# Altium PCB 0020-03_FFT2G.PcbDoc (part 12 of 16)
Units mm, origin at the board's own origin, x right, y up, seen from the top; angles counter-clockwise.
Board outline 195 x 104.5 mm, 12 copper layers (Top Layer, GND1, LVDS1, PWR1, LVDS2, PWR2, LVDS3, PWR3, SIG1, SIG2, GND2, Bottom Layer), stack 1.422 mm thick; 721 components, 650 nets, 4014 pads, 3497 vias.
Unrouted connection lines stored in the file: 78.
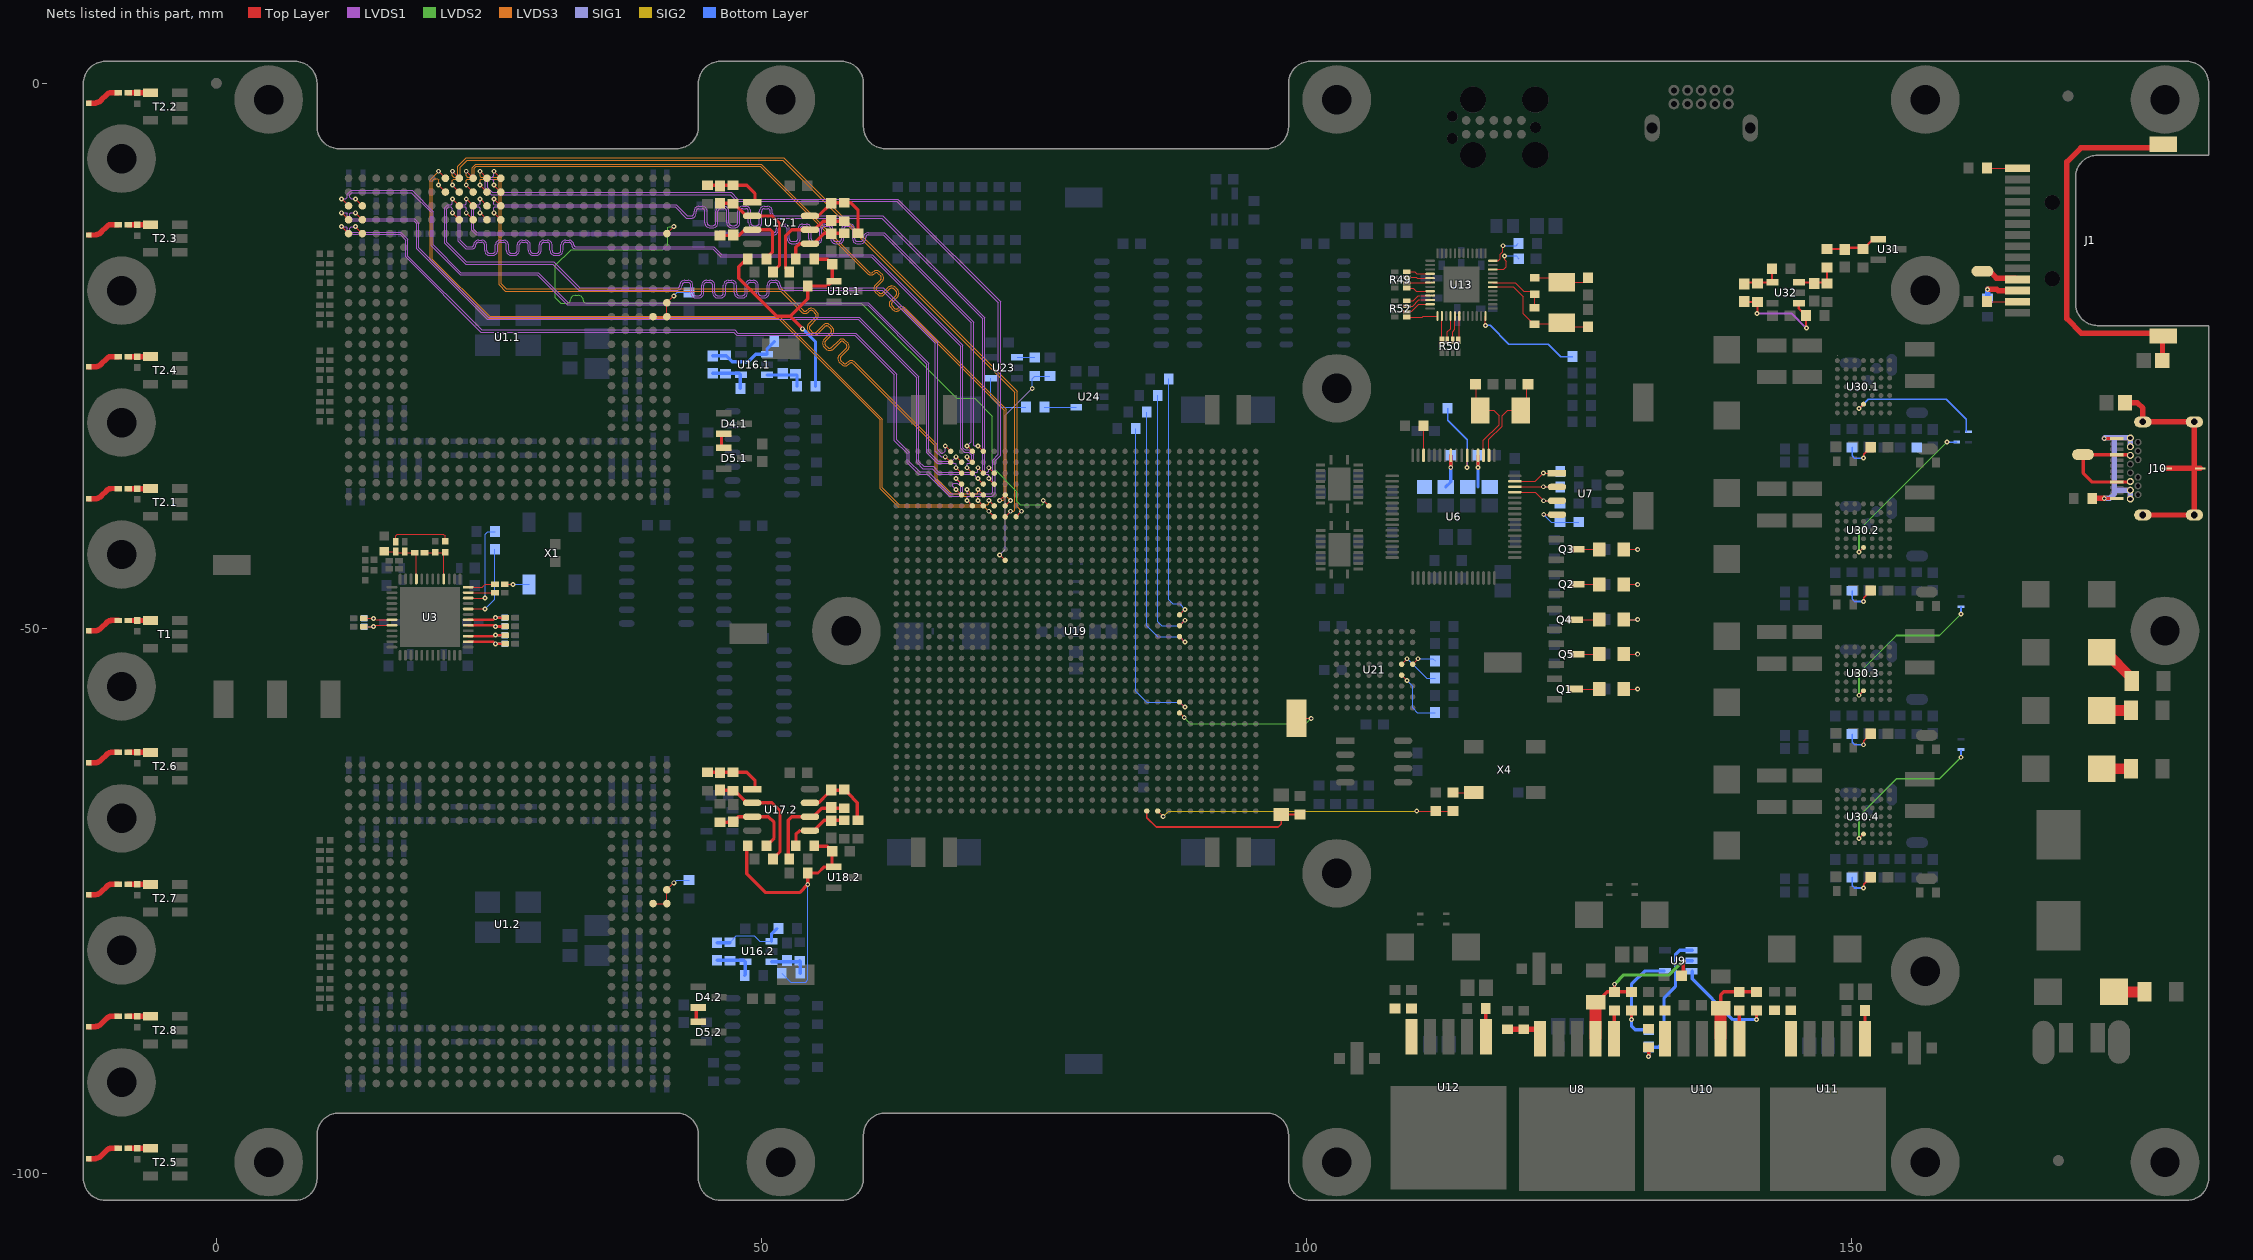
[diagram p22: the nets of this part, all layers, seen from the top]

## Via types
v1: diameter 0.45, hole 0.2, Top Layer to Bottom Layer, tented both sides, 3249 vias
v2: diameter 1, hole 0.5, Top Layer to Bottom Layer, tented both sides, 192 vias
v3: diameter 0.5, hole 0.2, Top Layer to Bottom Layer, tented both sides, 34 vias
v4: diameter 0.6, hole 0.3, Top Layer to Bottom Layer, tented both sides, 12 vias
v5: diameter 0.6, hole 0.2, Top Layer to Bottom Layer, tented both sides, 6 vias
v6: diameter 0.45/0.45/0.45/0.45/0.45/0.45/0.45 (per signal layer), hole 0.2, Top Layer to Bottom Layer, tented both sides, 4 vias

## Nets (pads, with @x,y where several pads share a name; then routed paths per layer and width w, separated by ;. In a path a pad name is that pad's centre, name@x,y a point inside that pad or via, vN(x,y) a via of type N, cw(c..) or ccw(c..) an arc to the next point about the centre after c; other vN are vias at no path point) (continued)
NC.OR_P: U1.1.AD20 U19.AJ20 | length 74.9
  Top Layer w0.1: U1.1.AD20@41.338,-13.797 v1(41.973,-13.162) ; v1(75.875,-38.28) U19.AJ20@76.375,-38.78
  LVDS2 w0.1: v1(41.973,-13.162) 41.497,-13.162 41.438,-13.22 41.438,-14.803 40.973,-15.269 32.562,-15.269 31.107,-16.724 31.107,-19.696 31.59,-20.179 32.222,-20.179 ccw(c32.222,-19.929) 32.472,-19.929 cw(c32.922,-19.929) 32.922,-19.479 33.222,-19.479 cw(c33.222,-19.929) 33.672,-19.929 ccw(c33.922,-19.929) 33.922,-20.179 59.184,-20.179 67.925,-28.919 69.572,-28.919 71.197,-30.544 71.197,-34.647 71.45,-34.901 71.45,-35.473 73.461,-37.484 73.461,-38.357 73.783,-38.68 75.801,-38.68 75.875,-38.605 v1(75.875,-38.28)
ND.0_N: U1.1.M21 U19.AL25 | length 76.2
  Top Layer w0.1: v1(25.463,-11.892) U1.1.M21@26.098,-12.527 ; v1(70.875,-36.28) U19.AL25@71.375,-36.78
  LVDS1 w0.1: v1(25.463,-11.892) 25.463,-11.415 25.522,-11.357 42.11,-11.357 43.131,-12.377 43.576,-12.377 ccw(c43.576,-11.927) 44.026,-11.927 44.026,-11.748 cw(c44.276,-11.748) 44.276,-11.498 44.576,-11.498 cw(c44.576,-11.748) 44.826,-11.748 44.826,-12.807 ccw(c45.276,-12.807) 45.276,-13.257 45.576,-13.257 ccw(c45.576,-12.807) 46.026,-12.807 46.026,-11.748 cw(c46.276,-11.748) 46.276,-11.498 46.576,-11.498 cw(c46.576,-11.748) 46.826,-11.748 46.826,-12.807 ccw(c47.276,-12.807) 47.276,-13.257 47.576,-13.257 ccw(c47.576,-12.807) 48.026,-12.807 48.026,-11.748 cw(c48.276,-11.748) 48.276,-11.498 48.576,-11.498 cw(c48.576,-11.748) 48.826,-11.748 48.826,-12.807 ccw(c49.276,-12.807) 49.276,-13.257 49.576,-13.257 ccw(c49.576,-12.807) 50.026,-12.807 50.026,-11.748 cw(c50.276,-11.748) 50.276,-11.498 50.576,-11.498 cw(c50.576,-11.748) 50.826,-11.748 50.826,-11.927 ccw(c51.276,-11.927) 51.276,-12.377 61.05,-12.377 70.298,-21.625 70.298,-35.753 70.433,-35.889 70.773,-35.889 70.875,-35.991 v1(70.875,-36.28)
ND.0_P: U1.1.M22 U19.AM25 | length 76.2
  Top Layer w0.1: v1(25.463,-10.622) U1.1.M22@26.098,-11.257 ; v1(70.875,-35.28) U19.AM25@71.375,-35.78
  LVDS1 w0.1: v1(25.463,-10.622) 25.463,-11.098 25.522,-11.157 42.193,-11.157 43.214,-12.177 43.576,-12.177 ccw(c43.576,-11.927) 43.826,-11.927 43.826,-11.748 cw(c44.276,-11.748) 44.276,-11.298 44.576,-11.298 cw(c44.576,-11.748) 45.026,-11.748 45.026,-12.807 ccw(c45.276,-12.807) 45.276,-13.057 45.576,-13.057 ccw(c45.576,-12.807) 45.826,-12.807 45.826,-11.748 cw(c46.276,-11.748) 46.276,-11.298 46.576,-11.298 cw(c46.576,-11.748) 47.026,-11.748 47.026,-12.807 ccw(c47.276,-12.807) 47.276,-13.057 47.576,-13.057 ccw(c47.576,-12.807) 47.826,-12.807 47.826,-11.748 cw(c48.276,-11.748) 48.276,-11.298 48.576,-11.298 cw(c48.576,-11.748) 49.026,-11.748 49.026,-12.807 ccw(c49.276,-12.807) 49.276,-13.057 49.576,-13.057 ccw(c49.576,-12.807) 49.826,-12.807 49.826,-11.748 cw(c50.276,-11.748) 50.276,-11.298 50.576,-11.298 cw(c50.576,-11.748) 51.026,-11.748 51.026,-11.927 ccw(c51.276,-11.927) 51.276,-12.177 61.133,-12.177 70.498,-21.543 70.498,-35.643 70.544,-35.689 70.773,-35.689 70.875,-35.587 v1(70.875,-35.28)
ND.1_N: U1.1.L23 U19.AJ26 | length 75.1
  Top Layer w0.1: v1(24.193,-9.352) U1.1.L23@24.828,-9.987 ; v1(69.875,-38.28) U19.AJ26@70.375,-38.78
  LVDS3 w0.1: v1(24.193,-9.352) 24.193,-8.875 24.252,-8.817 25.758,-8.817 25.944,-9.002 25.944,-18.499 26.525,-19.08 51.777,-19.08 53.692,-20.996 ccw(c54.01,-20.678) 54.328,-20.996 54.399,-20.925 cw(c54.576,-21.102) 54.753,-20.925 54.965,-21.137 cw(c54.788,-21.314) 55.038,-21.314 cw(c54.788,-21.314) 54.965,-21.491 54.328,-22.127 ccw(c54.646,-22.445) 54.328,-22.764 54.54,-22.976 ccw(c54.859,-22.657) 55.177,-22.976 55.813,-22.339 cw(c55.99,-22.516) 56.167,-22.339 56.379,-22.551 cw(c56.202,-22.728) 56.452,-22.728 cw(c56.202,-22.728) 56.379,-22.905 55.742,-23.541 ccw(c56.061,-23.86) 55.742,-24.178 55.955,-24.39 ccw(c56.273,-24.072) 56.591,-24.39 57.227,-23.753 cw(c57.404,-23.93) 57.581,-23.753 57.793,-23.966 cw(c57.616,-24.142) 57.866,-24.142 cw(c57.616,-24.142) 57.793,-24.319 57.157,-24.956 ccw(c57.475,-25.274) 57.157,-25.592 57.369,-25.804 ccw(c57.687,-25.486) 58.005,-25.804 58.076,-25.733 cw(c58.253,-25.91) 58.43,-25.733 65.946,-33.25 65.946,-36.429 67.397,-37.88 69.817,-37.88 69.875,-37.938 v1(69.875,-38.28)
ND.1_P: U1.1.L24 U19.AK26 | length 75.1
  Top Layer w0.1: v1(24.193,-8.082) U1.1.L24@24.828,-8.717 ; v1(69.875,-37.28) U19.AK26@70.375,-37.78
  LVDS3 w0.1: v1(24.193,-8.082) 24.193,-8.558 24.252,-8.617 25.841,-8.617 26.144,-8.92 26.144,-18.416 26.608,-18.88 51.859,-18.88 53.833,-20.854 ccw(c54.01,-20.678) 54.187,-20.854 54.258,-20.784 cw(c54.576,-21.102) 54.894,-20.784 55.106,-20.996 cw(c54.788,-21.314) 55.238,-21.314 cw(c54.788,-21.314) 55.106,-21.632 54.47,-22.269 ccw(c54.646,-22.445) 54.47,-22.622 54.682,-22.834 ccw(c54.859,-22.657) 55.035,-22.834 55.672,-22.198 cw(c55.99,-22.516) 56.308,-22.198 56.52,-22.41 cw(c56.202,-22.728) 56.652,-22.728 cw(c56.202,-22.728) 56.52,-23.046 55.884,-23.683 ccw(c56.061,-23.86) 55.884,-24.036 56.096,-24.248 ccw(c56.273,-24.072) 56.45,-24.248 57.086,-23.612 cw(c57.404,-23.93) 57.722,-23.612 57.935,-23.824 cw(c57.616,-24.142) 58.066,-24.142 cw(c57.616,-24.142) 57.935,-24.461 57.298,-25.097 ccw(c57.475,-25.274) 57.298,-25.451 57.51,-25.663 ccw(c57.687,-25.486) 57.864,-25.663 57.935,-25.592 cw(c58.253,-25.91) 58.571,-25.592 66.146,-33.167 66.146,-36.346 67.48,-37.68 69.817,-37.68 69.875,-37.621 v1(69.875,-37.28)
ND.2_N: U1.1.L21 U19.AP26 | length 75.8
  Top Layer w0.1: v1(24.193,-11.892) U1.1.L21@24.828,-12.527 ; v1(69.875,-33.28) U19.AP26@70.375,-33.78
  LVDS1 w0.1: v1(24.193,-11.892) 24.193,-11.453 24.096,-11.357 23.817,-11.357 23.614,-11.56 23.614,-13.422 23.914,-13.723 51.12,-13.723 ccw(c51.12,-13.473) 51.37,-13.473 51.37,-13.373 cw(c51.82,-13.373) 51.82,-12.923 52.12,-12.923 cw(c52.12,-13.373) 52.57,-13.373 52.57,-14.273 ccw(c52.82,-14.273) 52.82,-14.523 53.12,-14.523 ccw(c53.12,-14.273) 53.37,-14.273 53.37,-13.373 cw(c53.82,-13.373) 53.82,-12.923 54.12,-12.923 cw(c54.12,-13.373) 54.57,-13.373 54.57,-14.273 ccw(c54.82,-14.273) 54.82,-14.523 55.12,-14.523 ccw(c55.12,-14.273) 55.37,-14.273 55.37,-13.373 cw(c55.82,-13.373) 55.82,-12.923 56.12,-12.923 cw(c56.12,-13.373) 56.57,-13.373 56.57,-14.273 ccw(c56.82,-14.273) 56.82,-14.523 57.12,-14.523 ccw(c57.12,-14.273) 57.37,-14.273 57.37,-13.373 cw(c57.82,-13.373) 57.82,-12.923 58.12,-12.923 cw(c58.12,-13.373) 58.57,-13.373 58.57,-14.273 ccw(c58.82,-14.273) 58.82,-14.523 59.12,-14.523 ccw(c59.12,-14.273) 59.37,-14.273 59.37,-14.173 cw(c59.82,-14.173) 59.82,-13.723 61.281,-13.723 69.475,-21.917 69.475,-33.221 69.534,-33.28 v1(69.875,-33.28)
ND.2_P: U1.1.L22 U19.AP27 | length 75.9
  Top Layer w0.1: v1(24.193,-10.622) U1.1.L22@24.828,-11.257 ; v1(68.875,-33.28) U19.AP27@69.375,-33.78
  LVDS1 w0.1: v1(24.193,-10.622) 24.193,-11.06 24.096,-11.157 23.734,-11.157 23.414,-11.477 23.414,-13.505 23.832,-13.923 51.12,-13.923 ccw(c51.12,-13.473) 51.57,-13.473 51.57,-13.373 cw(c51.82,-13.373) 51.82,-13.123 52.12,-13.123 cw(c52.12,-13.373) 52.37,-13.373 52.37,-14.273 ccw(c52.82,-14.273) 52.82,-14.723 53.12,-14.723 ccw(c53.12,-14.273) 53.57,-14.273 53.57,-13.373 cw(c53.82,-13.373) 53.82,-13.123 54.12,-13.123 cw(c54.12,-13.373) 54.37,-13.373 54.37,-14.273 ccw(c54.82,-14.273) 54.82,-14.723 55.12,-14.723 ccw(c55.12,-14.273) 55.57,-14.273 55.57,-13.373 cw(c55.82,-13.373) 55.82,-13.123 56.12,-13.123 cw(c56.12,-13.373) 56.37,-13.373 56.37,-14.273 ccw(c56.82,-14.273) 56.82,-14.723 57.12,-14.723 ccw(c57.12,-14.273) 57.57,-14.273 57.57,-13.373 cw(c57.82,-13.373) 57.82,-13.123 58.12,-13.123 cw(c58.12,-13.373) 58.37,-13.373 58.37,-14.273 ccw(c58.82,-14.273) 58.82,-14.723 59.12,-14.723 ccw(c59.12,-14.273) 59.57,-14.273 59.57,-14.173 cw(c59.82,-14.173) 59.82,-13.923 61.198,-13.923 69.275,-21.999 69.275,-32.88 v1(68.875,-33.28)
ND.3_N: U1.1.K23 U19.AK24 | length 74.3
  Top Layer w0.1: v1(22.923,-9.352) U1.1.K23@23.558,-9.987 ; v1(71.875,-38.28) U19.AK24@72.375,-37.78
  LVDS3 w0.1: v1(22.923,-9.352) 22.923,-8.923 23.03,-8.817 23.327,-8.817 23.661,-8.482 23.661,-7.822 23.862,-7.621 49.903,-7.621 59.747,-17.465 ccw(c60.065,-17.147) 60.383,-17.465 cw(c60.56,-17.642) 60.737,-17.465 60.949,-17.677 cw(c60.772,-17.854) 61.022,-17.854 cw(c60.772,-17.854) 60.949,-18.031 60.454,-18.526 ccw(c60.772,-18.844) 60.454,-19.162 60.666,-19.374 ccw(c60.984,-19.056) 61.303,-19.374 61.798,-18.879 cw(c61.974,-19.056) 62.151,-18.879 62.363,-19.091 cw(c62.187,-19.268) 62.437,-19.268 cw(c62.187,-19.268) 62.363,-19.445 61.868,-19.94 ccw(c62.187,-20.258) 61.868,-20.576 62.08,-20.789 ccw(c62.399,-20.47) 62.717,-20.789 cw(c62.894,-20.965) 63.07,-20.789 72.275,-29.993 72.275,-37.629 72.275,-38.221 72.217,-38.28 v1(71.875,-38.28)
ND.3_P: U1.1.K24 U19.AJ24 | length 74.5
  Top Layer w0.1: v1(22.923,-8.082) U1.1.K24@23.558,-8.717 ; U19.AJ24@72.375,-38.78 v1(72.875,-38.28)
  LVDS3 w0.1: v1(22.923,-8.082) 22.923,-8.51 23.03,-8.617 23.244,-8.617 23.461,-8.399 23.461,-7.739 23.779,-7.421 49.986,-7.421 59.888,-17.324 ccw(c60.065,-17.147) 60.242,-17.324 cw(c60.56,-17.642) 60.878,-17.324 61.091,-17.536 cw(c60.772,-17.854) 61.222,-17.854 cw(c60.772,-17.854) 61.091,-18.172 60.596,-18.667 ccw(c60.772,-18.844) 60.596,-19.021 60.808,-19.233 ccw(c60.984,-19.056) 61.161,-19.233 61.656,-18.738 cw(c61.974,-19.056) 62.293,-18.738 62.505,-18.95 cw(c62.187,-19.268) 62.637,-19.268 cw(c62.187,-19.268) 62.505,-19.586 62.01,-20.081 ccw(c62.187,-20.258) 62.01,-20.435 62.222,-20.647 ccw(c62.399,-20.47) 62.575,-20.647 cw(c62.894,-20.965) 63.212,-20.647 72.475,-29.91 72.475,-37.546 72.475,-37.88 v1(72.875,-38.28)
ND.4_N: U1.1.K21 U19.AM27 | length 75.9
  Top Layer w0.1: v1(22.923,-11.892) U1.1.K21@23.558,-12.527 ; v1(68.875,-35.28) U19.AM27@69.375,-35.78
  LVDS1 w0.1: v1(22.923,-11.892) 22.923,-11.453 22.826,-11.357 22.556,-11.357 22.395,-11.518 22.395,-14.419 22.968,-14.993 23.457,-14.993 ccw(c23.457,-14.843) 23.607,-14.843 cw(c24.057,-14.843) 24.057,-14.393 24.357,-14.393 cw(c24.357,-14.843) 24.807,-14.843 24.807,-15.343 ccw(c25.057,-15.343) 25.057,-15.593 25.357,-15.593 ccw(c25.357,-15.343) 25.607,-15.343 25.607,-14.843 cw(c26.057,-14.843) 26.057,-14.393 26.357,-14.393 cw(c26.357,-14.843) 26.807,-14.843 26.807,-15.343 ccw(c27.057,-15.343) 27.057,-15.593 27.357,-15.593 ccw(c27.357,-15.343) 27.607,-15.343 27.607,-14.843 cw(c28.057,-14.843) 28.057,-14.393 28.357,-14.393 cw(c28.357,-14.843) 28.807,-14.843 28.807,-15.343 ccw(c29.057,-15.343) 29.057,-15.593 29.357,-15.593 ccw(c29.357,-15.343) 29.607,-15.343 29.607,-14.843 cw(c30.057,-14.843) 30.057,-14.393 30.357,-14.393 cw(c30.357,-14.843) 30.807,-14.843 30.807,-15.343 ccw(c31.057,-15.343) 31.057,-15.593 31.357,-15.593 ccw(c31.357,-15.343) 31.607,-15.343 31.607,-14.843 cw(c32.057,-14.843) 32.057,-14.393 32.357,-14.393 cw(c32.357,-14.843) 32.807,-14.843 ccw(c32.957,-14.843) 32.957,-14.993 45.638,-14.993 46.379,-15.733 60.193,-15.733 68.498,-24.038 68.498,-29.63 68.498,-33.433 68.72,-33.655 69.097,-33.655 69.5,-34.058 69.5,-34.656 69.305,-34.85 68.963,-34.85 68.875,-34.938 v1(68.875,-35.28)
ND.4_P: U1.1.K22 U19.AN27 | length 75.8
  Top Layer w0.1: v1(22.923,-10.622) U1.1.K22@23.558,-11.257 ; v1(68.875,-34.28) U19.AN27@69.375,-34.78
  LVDS1 w0.1: v1(22.923,-10.622) 22.923,-11.06 22.826,-11.157 22.473,-11.157 22.195,-11.435 22.195,-14.502 22.885,-15.193 23.457,-15.193 ccw(c23.457,-14.843) 23.807,-14.843 cw(c24.057,-14.843) 24.057,-14.593 24.357,-14.593 cw(c24.357,-14.843) 24.607,-14.843 24.607,-15.343 ccw(c25.057,-15.343) 25.057,-15.793 25.357,-15.793 ccw(c25.357,-15.343) 25.807,-15.343 25.807,-14.843 cw(c26.057,-14.843) 26.057,-14.593 26.357,-14.593 cw(c26.357,-14.843) 26.607,-14.843 26.607,-15.343 ccw(c27.057,-15.343) 27.057,-15.793 27.357,-15.793 ccw(c27.357,-15.343) 27.807,-15.343 27.807,-14.843 cw(c28.057,-14.843) 28.057,-14.593 28.357,-14.593 cw(c28.357,-14.843) 28.607,-14.843 28.607,-15.343 ccw(c29.057,-15.343) 29.057,-15.793 29.357,-15.793 ccw(c29.357,-15.343) 29.807,-15.343 29.807,-14.843 cw(c30.057,-14.843) 30.057,-14.593 30.357,-14.593 cw(c30.357,-14.843) 30.607,-14.843 30.607,-15.343 ccw(c31.057,-15.343) 31.057,-15.793 31.357,-15.793 ccw(c31.357,-15.343) 31.807,-15.343 31.807,-14.843 cw(c32.057,-14.843) 32.057,-14.593 32.357,-14.593 cw(c32.357,-14.843) 32.607,-14.843 ccw(c32.957,-14.843) 32.957,-15.193 45.555,-15.193 46.296,-15.933 46.379,-15.933 60.11,-15.933 68.298,-24.121 68.298,-29.63 68.298,-33.516 68.637,-33.855 69.014,-33.855 69.3,-34.141 69.3,-34.538 69.188,-34.65 68.972,-34.65 68.875,-34.553 v1(68.875,-34.28)
ND.5_N: U1.1.J23 U19.AH24 | length 75
  Top Layer w0.1: v1(21.653,-9.352) U1.1.J23@22.288,-9.987 ; U19.AH24@72.375,-39.78 v1(72.875,-39.28)
  LVDS3 w0.1: v1(21.653,-9.352) 21.653,-8.923 21.76,-8.817 22.072,-8.817 22.369,-8.52 22.369,-7.704 23.026,-7.047 51.982,-7.047 73.275,-28.34 73.275,-38.88 73.275,-39.185 73.18,-39.28 v1(72.875,-39.28)
ND.5_P: U1.1.J24 U19.AH23 | length 75.2
  Top Layer w0.1: v1(21.653,-8.082) U1.1.J24@22.288,-8.717 ; U19.AH23@73.375,-39.78 v1(73.875,-39.28)
  LVDS3 w0.1: v1(21.653,-8.082) 21.653,-8.51 21.76,-8.617 21.99,-8.617 22.169,-8.437 22.169,-7.621 22.944,-6.847 52.065,-6.847 73.475,-28.257 73.475,-38.88 v1(73.875,-39.28)
ND.6_N: U1.1.J21 U19.AP29 | length 75.4
  Top Layer w0.1: v1(21.653,-11.892) U1.1.J21@22.288,-12.527 ; v1(66.875,-33.28) U19.AP29@67.375,-33.78
  LVDS1 w0.1: v1(21.653,-11.892) 21.653,-11.512 21.498,-11.357 21.299,-11.357 21.139,-11.517 21.139,-14.58 22.948,-16.39 30.954,-16.39 33.349,-18.785 42.28,-18.785 ccw(c42.28,-18.535) 42.53,-18.535 cw(c42.98,-18.535) 42.98,-18.085 43.28,-18.085 cw(c43.28,-18.535) 43.73,-18.535 43.73,-19.235 ccw(c43.98,-19.235) 43.98,-19.485 44.28,-19.485 ccw(c44.28,-19.235) 44.53,-19.235 44.53,-18.535 cw(c44.98,-18.535) 44.98,-18.085 45.28,-18.085 cw(c45.28,-18.535) 45.73,-18.535 45.73,-19.235 ccw(c45.98,-19.235) 45.98,-19.485 46.28,-19.485 ccw(c46.28,-19.235) 46.53,-19.235 46.53,-18.535 cw(c46.98,-18.535) 46.98,-18.085 47.28,-18.085 cw(c47.28,-18.535) 47.73,-18.535 47.73,-19.235 ccw(c47.98,-19.235) 47.98,-19.485 48.28,-19.485 ccw(c48.28,-19.235) 48.53,-19.235 48.53,-18.535 cw(c48.98,-18.535) 48.98,-18.085 49.28,-18.085 cw(c49.28,-18.535) 49.73,-18.535 49.73,-19.235 ccw(c49.98,-19.235) 49.98,-19.485 50.28,-19.485 ccw(c50.28,-19.235) 50.53,-19.235 50.53,-18.535 cw(c50.98,-18.535) 50.98,-18.085 51.28,-18.085 cw(c51.28,-18.535) 51.73,-18.535 ccw(c51.98,-18.535) 51.98,-18.785 61.187,-18.785 66.174,-23.772 66.174,-24.488 66.174,-29.669 66.174,-33.643 66.502,-33.971 66.654,-33.971 66.875,-33.749 v1(66.875,-33.28)
ND.6_P: U1.1.J22 U19.AN29 | length 75.6
  Top Layer w0.1: v1(21.653,-10.622) U1.1.J22@22.288,-11.257 ; v1(66.875,-34.28) U19.AN29@67.375,-34.78
  LVDS1 w0.1: v1(21.653,-10.622) 21.653,-11.06 21.556,-11.157 21.216,-11.157 20.939,-11.434 20.939,-14.663 22.865,-16.59 30.872,-16.59 33.267,-18.985 42.28,-18.985 ccw(c42.28,-18.535) 42.73,-18.535 cw(c42.98,-18.535) 42.98,-18.285 43.28,-18.285 cw(c43.28,-18.535) 43.53,-18.535 43.53,-19.235 ccw(c43.98,-19.235) 43.98,-19.685 44.28,-19.685 ccw(c44.28,-19.235) 44.73,-19.235 44.73,-18.535 cw(c44.98,-18.535) 44.98,-18.285 45.28,-18.285 cw(c45.28,-18.535) 45.53,-18.535 45.53,-19.235 ccw(c45.98,-19.235) 45.98,-19.685 46.28,-19.685 ccw(c46.28,-19.235) 46.73,-19.235 46.73,-18.535 cw(c46.98,-18.535) 46.98,-18.285 47.28,-18.285 cw(c47.28,-18.535) 47.53,-18.535 47.53,-19.235 ccw(c47.98,-19.235) 47.98,-19.685 48.28,-19.685 ccw(c48.28,-19.235) 48.73,-19.235 48.73,-18.535 cw(c48.98,-18.535) 48.98,-18.285 49.28,-18.285 cw(c49.28,-18.535) 49.53,-18.535 49.53,-19.235 ccw(c49.98,-19.235) 49.98,-19.685 50.28,-19.685 ccw(c50.28,-19.235) 50.73,-19.235 50.73,-18.535 cw(c50.98,-18.535) 50.98,-18.285 51.28,-18.285 cw(c51.28,-18.535) 51.53,-18.535 ccw(c51.98,-18.535) 51.98,-18.985 61.104,-18.985 65.974,-23.855 65.974,-24.57 65.974,-29.752 65.974,-33.75 66.504,-34.28 v1(66.875,-34.28)
ND.7_N: U1.1.H23 U19.AJ25 | length 74.4
  Top Layer w0.1: v1(20.383,-9.352) U1.1.H23@21.018,-9.987 ; v1(70.875,-38.28) U19.AJ25@71.375,-38.78
  LVDS3 w0.1: v1(20.383,-9.352) 20.383,-8.875 20.256,-8.748 20.007,-8.748 19.826,-8.929 19.826,-16.133 25.065,-21.372 51.659,-21.372 61.101,-30.814 61.101,-37.116 62.664,-38.68 70.785,-38.68 70.869,-38.596 70.869,-38.286 v1(70.875,-38.28)
ND.7_P: U1.1.H24 U19.AH25 | length 74.5
  Top Layer w0.1: v1(20.383,-8.082) U1.1.H24@21.018,-8.717 ; v1(70.875,-39.28) U19.AH25@71.375,-39.78
  LVDS3 w0.1: v1(20.383,-8.082) 19.626,-8.839 19.626,-16.216 24.982,-21.572 51.576,-21.572 60.901,-30.897 60.901,-37.199 62.581,-38.88 70.475,-38.88 v1(70.875,-39.28)
ND.8_N: U1.1.B22 U19.AM28 | length 75.4
  Top Layer w0.1: v1(12.763,-10.622) U1.1.B22@13.398,-11.257 ; v1(67.875,-35.28) U19.AM28@68.375,-35.78
  LVDS1 w0.1: v1(12.763,-10.622) 12.374,-10.622 12.228,-10.476 12.228,-10.253 12.438,-10.044 17.887,-10.044 19.702,-11.859 19.702,-14.924 22.363,-17.584 29.449,-17.584 32.211,-20.347 59.75,-20.347 65.175,-25.772 65.175,-33.903 66.151,-34.88 67.817,-34.88 67.875,-34.938 v1(67.875,-35.28)
ND.8_P: U1.1.A22 U19.AN28 | length 75.5
  Top Layer w0.1: v1(11.493,-10.622) U1.1.A22@12.128,-11.257 ; v1(67.875,-34.28) U19.AN28@68.375,-34.78
  LVDS1 w0.1: v1(11.493,-10.622) 11.882,-10.622 12.028,-10.476 12.028,-10.171 12.355,-9.844 17.97,-9.844 19.902,-11.776 19.902,-14.841 22.445,-17.384 29.532,-17.384 32.294,-20.147 59.833,-20.147 65.375,-25.689 65.375,-33.821 66.234,-34.68 67.475,-34.68 v1(67.875,-34.28)
ND.9_N: U1.1.B21 U19.AM26 | length 76
  Top Layer w0.1: v1(12.763,-11.892) U1.1.B21@13.398,-12.527 ; v1(69.875,-35.28) U19.AM26@70.375,-35.78
  LVDS1 w0.1: v1(12.763,-11.892) 12.311,-11.892 12.228,-11.974 12.228,-12.212 12.455,-12.439 18.196,-12.439 18.588,-12.831 18.588,-15.102 24.945,-21.459 58.983,-21.459 64.449,-26.926 64.449,-34.716 64.898,-35.164 65.777,-35.164 66.293,-35.68 69.817,-35.68 69.875,-35.621 v1(69.875,-35.28)
ND.9_P: U1.1.A21 U19.AL26 | length 76.2
  Top Layer w0.1: v1(11.493,-11.892) U1.1.A21@12.128,-12.527 ; v1(69.875,-36.28) U19.AL26@70.375,-36.78
  LVDS1 w0.1: v1(11.493,-11.892) 11.946,-11.892 12.028,-11.974 12.028,-12.295 12.372,-12.639 18.113,-12.639 18.388,-12.914 18.388,-15.185 24.863,-21.659 58.9,-21.659 64.249,-27.009 64.249,-34.799 64.815,-35.364 65.695,-35.364 66.21,-35.88 69.475,-35.88 v1(69.875,-36.28)
ND.DR_N: U1.1.M23 U19.AJ27 | length 75.5
  Top Layer w0.1: v1(25.463,-9.352) U1.1.M23@26.098,-9.987 ; v1(68.875,-38.28) U19.AJ27@69.375,-38.78
  LVDS1 w0.1: v1(25.463,-9.352) 25.463,-8.964 25.316,-8.817 25.036,-8.817 24.884,-8.969 24.884,-9.587 25.311,-10.014 47.235,-10.014 47.852,-10.631 62.528,-10.631 63.362,-11.465 71.962,-20.066 71.962,-34.145 71.45,-34.657 71.45,-37.606 71.177,-37.88 68.934,-37.88 68.875,-37.938 v1(68.875,-38.28)
ND.DR_P: U1.1.M24 U19.AK27 | length 75.5
  Top Layer w0.1: v1(25.463,-8.082) U1.1.M24@26.098,-8.717 ; v1(68.875,-37.28) U19.AK27@69.375,-37.78
  LVDS1 w0.1: v1(25.463,-8.082) 25.463,-8.469 25.316,-8.617 24.953,-8.617 24.684,-8.886 24.684,-9.669 25.229,-10.214 47.152,-10.214 47.769,-10.831 62.445,-10.831 71.762,-20.149 71.762,-34.062 71.25,-34.574 71.25,-37.522 71.093,-37.68 68.934,-37.68 68.875,-37.621 v1(68.875,-37.28)
ND.OR_N: U1.1.B20 U19.AK28 | length 75.5
  Top Layer w0.1: v1(12.763,-13.162) U1.1.B20@13.398,-13.797 ; v1(67.875,-37.28) U19.AK28@68.375,-37.78
  LVDS1 w0.1: v1(12.763,-13.162) 12.362,-13.162 12.228,-13.295 12.228,-13.533 12.371,-13.676 16.937,-13.676 17.565,-14.304 17.565,-15.86 24.347,-22.642 47.544,-22.642 47.834,-22.933 58.67,-22.933 62.422,-26.684 62.422,-32.719 63.575,-33.872 63.575,-34.722 64.526,-35.672 65.302,-35.672 67.309,-37.68 68.11,-37.68 68.3,-37.489 68.3,-36.987 68.003,-36.69 67.666,-36.69 67.581,-36.775 67.581,-36.986 v1(67.875,-37.28)
ND.OR_P: U1.1.A20 U19.AL28 | length 75.7
  Top Layer w0.1: v1(11.493,-13.162) U1.1.A20@12.128,-13.797 ; v1(67.875,-36.28) U19.AL28@68.375,-36.78
  LVDS1 w0.1: v1(11.493,-13.162) 11.895,-13.162 12.028,-13.295 12.028,-13.616 12.288,-13.876 16.854,-13.876 17.365,-14.387 17.365,-15.943 24.264,-22.842 47.461,-22.842 47.752,-23.133 58.588,-23.133 62.222,-26.767 62.222,-32.801 63.375,-33.955 63.375,-34.805 64.443,-35.872 65.219,-35.872 67.226,-37.88 68.193,-37.88 68.5,-37.572 68.5,-36.905 v1(67.875,-36.28)
NetC4.1_2: C4.1.2 R65.1.1 R66.1.2 U16.1.3 | length 3.7
  Bottom Layer w0.3: U16.1.3@50.531,-26.764 R65.1.1@53.273,-26.764 ; R66.1.2@53.273,-27.809 R65.1.1@53.273,-26.806
NetC4.2_2: C4.2.2 R65.2.1 R66.2.2 U16.2.3 | length 3.8
  Bottom Layer w0.3: U16.2.3@50.931,-80.62 53.431,-80.62 R65.2.1@53.531,-80.52 53.581,-80.57 R66.2.2@53.581,-81.67
NetC6.1_1: C6.1.1 R67.1.2 R69.1.2 U16.1.1 | length 6.9
  Bottom Layer w0.3: C6.1.1@45.531,-25.014 46.781,-25.014 47.331,-25.563 48.797,-25.563 49.496,-24.864 U16.1.1@50.531,-24.864 50.531,-24.364 R67.1.2@51.181,-23.714
NetC6.1_2: C6.1.2 R68.1.2 R69.1.1 U16.1.4 | length 4
  Bottom Layer w0.1: U16.1.4@48.081,-26.814 U16.1.4@48.131,-26.764
  Bottom Layer w0.3: C6.1.2@45.531,-26.614 47.981,-26.614 48.081,-26.714 48.081,-26.814 R68.1.2@48.081,-28.014